# Altium PCB EBAZ4205.PcbDoc (part 1 of 6) (continued)
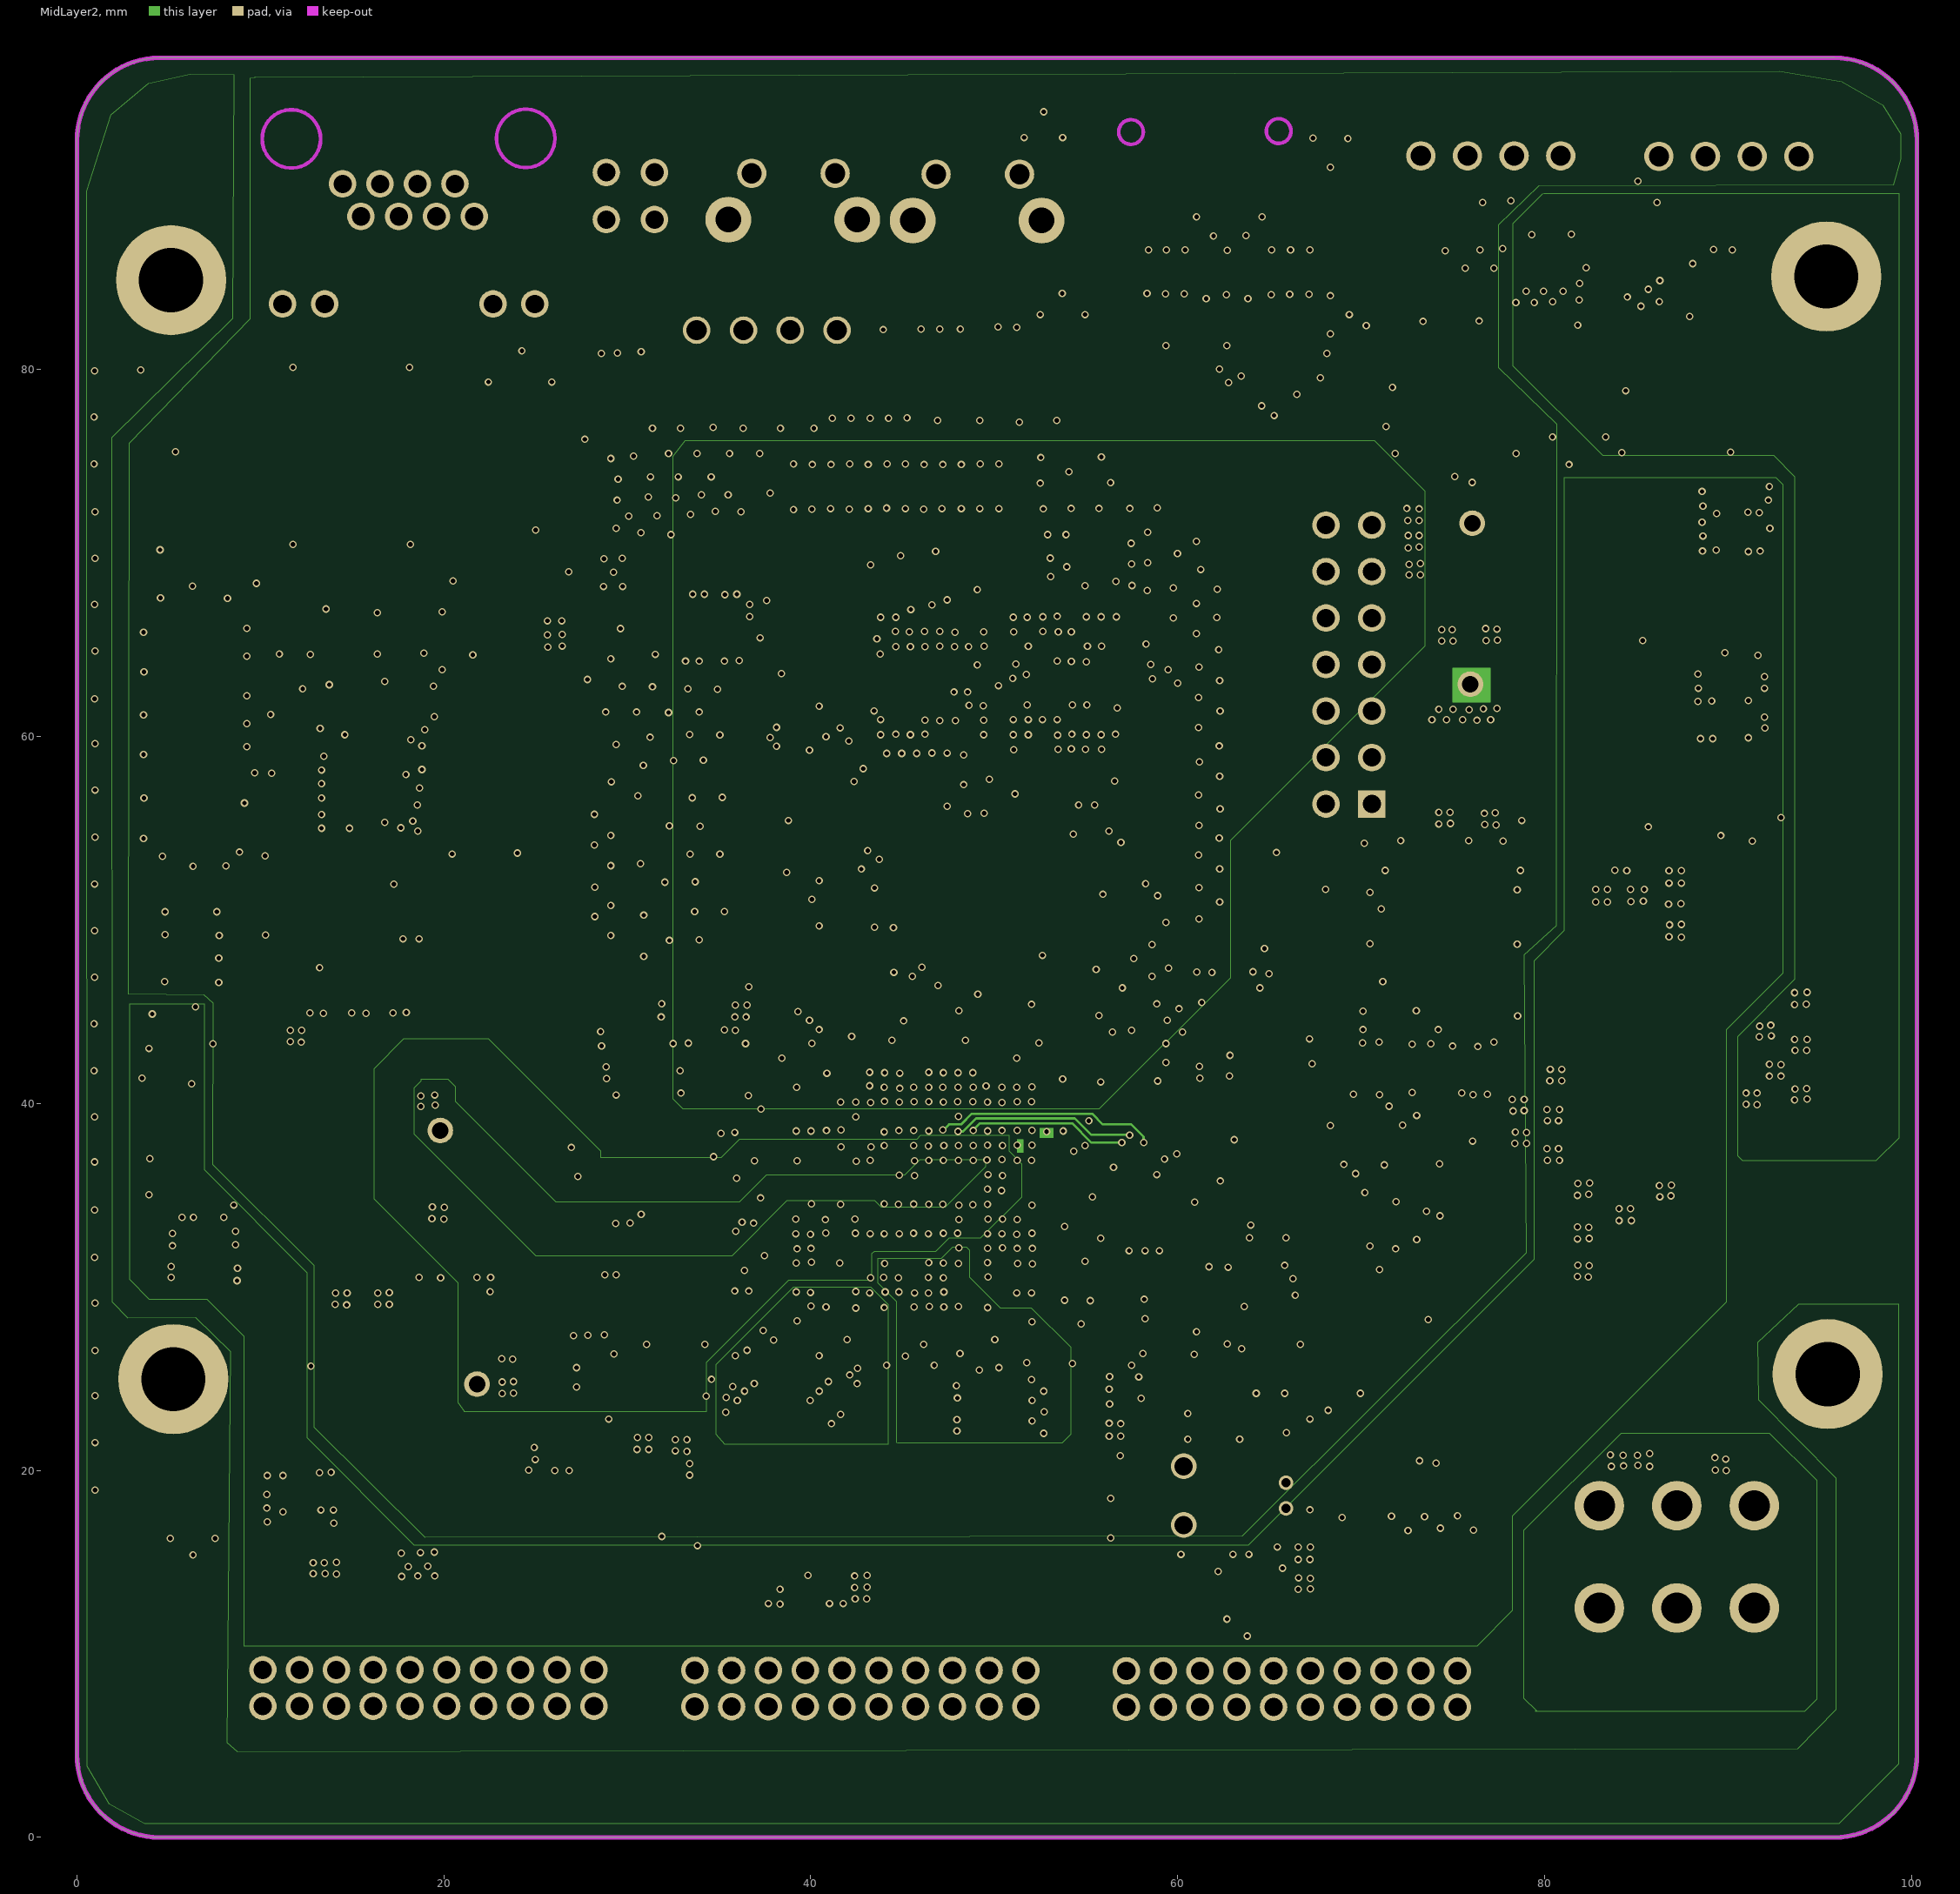
[diagram p3: MidLayer2]

## Layer stack, top to bottom
Top Solder: solder mask 0.0102, Solder Resist, Dk 3.5
Top Layer: signal copper 0.0356
Dielectric1: core 0.32, FR-4, Dk 4.8
MidLayer1: signal copper 0.0356
Dielectric2: prepreg 0.32, FR-4, Dk 4.8
MidLayer2: signal copper 0.0356
Dielectric3: core 0.32, FR-4, Dk 4.8
Bottom Layer: signal copper 0.0356
Bottom Solder: solder mask 0.0102, Solder Resist, Dk 3.5

## Board outline
0,4.5 ccw(c4.5,4.5) 4.5,0 95.8,0 ccw(c95.8,4.5) 100.3,4.5 100.3,92.5 ccw(c95.8,92.5) 95.8,97 4.5,97 ccw(c4.5,92.5) 0,92.5

## Design rules (kind name [scope] priority, off if disabled: settings)
Clearance [All] p1 off: gap=0.102
Clearance Clearance_1 [All] p2: gap=0.089
FabricationTestpoint [All] p1 off: side=3 testpointundercomponent=TRUE minsize=1.016 maxsize=2.54 preferedsize=1.524 minholesize=0 maxholesize=1.016 preferedholesize=0.813 testpointgrid=0.025 allowsidetop=TRUE allowsidebottom=TRUE usegrid=TRUE gridtolerance=0
PolygonConnect [All] p1: connectstyle=Relief reliefconductorwidth=0.762 reliefentries=4 polygonreliefangle="45 Angle" airgapwidth=0.254
RoutingLayers [All] p1: top layer_v5=FALSE mid layer 1_v5=FALSE mid layer 2_v5=FALSE bottom layer_v5=FALSE
RoutingVias [All] p1: holewidth=0.711 width=1.27 viastyle="Through Hole" minholewidth=0.025 minwidth=0.051 maxholewidth=12.7 maxwidth=12.7
SolderMaskExpansion [All] p1: expansion=0.102
Width [All] p1: maxlimit=25.4 minlimit=0.025 preferedwidth=0.254
28 further rules are at their usual default settings.

## Components (designator, comment, footprint, x,y, rotation, side; value= is the part's Value field where it differs from the comment)
C68 "NC" 3 58.806,24.931 r0 bottom
C69 "NC" 3 63.256,23.581 r270 top
C71 "NC" 3 60.006,26.331 r270 bottom
C73 "1UF" 3 47.031,82.931 r0 top
C82 "10UF" 2 18.631,43.381 r270 bottom
C93 "NC" 2 63.706,88.356 r180 bottom
C94 "NC" 3 63.206,83.231 r270 bottom
C147 "10NF" 3 48.731,32.031 r0 bottom
C289 "22UF" 9 76.856,56.881 r90 top
C290 "22UF" 9 74.556,56.856 r90 top
C291 "10UF" 2 89.281,60.906 r0 top
C292 "10UF" 2 89.306,62.956 r0 top
C293 "100NF" 6 91.031,61.006 r180 bottom
C294 "NC" 2 91.331,55.606 r180 bottom
C295 "100NF" 6 91.981,55.781 r90 top
C304 "100NF" 3 90.231,87.331 r180 bottom
C305 "100NF" 3 84.081,87.331 r180 bottom
C306 "10UF" 2 82.756,44.431 r270 bottom
C307 "10UF" 2 16.856,13.056 r180 bottom
C308 "10UF" 2 41.506,11.706 r180 bottom
C309 "10UF" 2 85.881,44.456 r270 bottom
C310 "10UF" 2 65.556,12.231 r180 bottom
C319 "100NF" 6 16.731,14.731 r180 bottom
C320 "100NF" 6 87.481,44.281 r270 bottom
C321 "100NF" 6 84.381,44.256 r270 bottom
C322 "100NF" 6 65.306,13.756 r180 bottom
C323 "100NF" 6 41.306,13.506 r180 bottom
C325 "1NF" 9 6.331,16.306 r90 top
C327 "100NF" 3 47.256,36.206 r270 bottom
C333 "100NF" 3 78.656,87.331 r180 bottom
C334 "100NF" 3 74.606,87.306 r180 bottom
C362 "NC" 3 29.083,24.563 r0 top
C363 "NC" 3 29.256,24.881 r0 bottom
C364 "NC" 3 28.086,24.62 r0 top
C366 "NC" 3 13.581,65.181 r0 top
C367 "100NF" 3 13.306,61.731 r270 bottom
C368 "100NF" 3 14.206,59.531 r270 bottom
C369 "100NF" 3 12.156,58.581 r180 bottom
C370 "100NF" 3 12.181,56.656 r180 bottom
C371 "NC" 2 15.531,59.856 r0 bottom
C372 "NC" 3 16.381,65.181 r0 top
C373 "100NF" 3 18.181,69.481 r0 bottom
C374 "100NF" 3 12.231,54.756 r180 bottom
C375 "100NF" 3 11.806,69.356 r0 bottom
C376 "100NF" 3 10.581,58.606 r270 bottom
C377 "22PF" 3 9.756,54.556 r0 top
C379 "NC" 2 16.806,57.881 r270 bottom
C379A "100NF" 3 20.481,55.406 r270 bottom
C380 "22PF" 3 9.756,56.431 r0 top
C382 "100NF" 3 16.781,54.756 r270 bottom
C383 "22UF" 9 18.881,26.681 r90 top
C384 "10UF" 2 11.156,17.606 r0 top
C385 "22UF" 9 21.231,26.656 r90 top
C386 "NC" 2 12.206,26.881 r90 top
C386A "100NF" 6 10.281,23.381 r90 top
C387 "100NF" 6 12.906,19.531 r180 bottom
C389 "10UF" 2 11.231,19.581 r0 top
C390 "22UF" 9 74.656,66.831 r90 top
C391 "10UF" 2 89.556,71.181 r0 top
C392 "22UF" 9 76.956,66.806 r90 top
C393 "100NF" 6 92.231,66.006 r90 top
C394 "100NF" 6 91.281,71.281 r180 bottom
C395 "NC" 2 91.606,65.756 r180 bottom
C396 "10UF" 2 89.531,73.206 r0 top
C397 "22UF" 9 16.406,40.881 r90 top
C398 "10UF" 2 5.981,30.806 r0 top
C399 "22UF" 9 14.106,40.881 r90 top
C400 "100NF" 6 4.906,38.106 r90 top
C401 "100NF" 6 6.006,34.606 r0 top
C402 "NC" 2 7.381,44.356 r0 top
C403 "10UF" 2 5.906,32.831 r0 top
C538 "NC" 3 59.731,24.931 r0 bottom
C625 "10UF" 2 6.881,35.031 r180 bottom
C626 "10UF" 2 8.856,44.256 r0 bottom
C628 "NC" 2 5.331,43.131 r90 top
C659 "100NF" 3 23.456,80.056 r0 top
C660 "100NF" 3 24.881,80.031 r0 top
C661 "100NF" 6 76.506,84.131 r90 bottom
C662 "100NF" 6 84.681,84.856 r180 bottom
C663 "33UF" 2 29.881,37.631 r180 bottom
C664 "100NF" 3 42.331,34.906 r180 bottom
C665 "51UF" 9 28.781,44.831 r90 bottom
C666 "3.9UF" 6 31.481,41.581 r180 bottom
C667 "470NF" 3 36.206,37.131 r270 bottom
C668 "470NF" 3 38.506,36.856 r270 bottom
C669 "51UF" 9 64.981,26.506 r90 bottom
C670 "3.9UF" 6 64.931,31.231 r90 top
C671 "470NF" 3 55.581,34.231 r270 bottom
C672 "470NF" 3 31.081,40.431 r270 bottom
C673 "3.9UF" 6 64.956,31.231 r90 bottom
C674 "470NF" 3 53.806,31.406 r270 bottom
C845 "NC" 2 31.031,18.406 r0 bottom
C846 "NC" 6 30.981,19.831 r0 bottom
C856 "NC" 6 28.006,22.506 r180 bottom
C856A "NC" 2 28.006,20.981 r180 bottom
C1887 "100NF" 3 5.881,49.156 r90 bottom
C1985 "100NF" 3 35.856,42.256 r180 bottom
C1987 "100NF" 3 35.856,40.431 r180 bottom
C2250 "470NF" 3 53.556,61.631 r270 bottom
C2269 "3.9UF" 6 59.306,46.331 r0 top
C2280 "10NF" 3 39.956,40.156 r180 bottom
C2285 "100PF" 3 80.306,51.681 r180 bottom
C2287 "100PF" 3 79.431,51.706 r180 bottom
C2288 "51UF" 9 32.481,46.856 r0 top
C2291 "470NF" 3 55.181,41.581 r270 bottom
C2292 "3.9UF" 6 56.556,69.406 r90 bottom
C2293 "470NF" 3 51.781,42.481 r180 bottom
C2294 "51UF" 9 59.531,48.656 r0 top
C2295 "3.9UF" 6 33.131,45.006 r0 top
C2296 "470NF" 3 38.506,40.306 r180 bottom
C2297 "470NF" 3 56.081,42.256 r180 bottom
C2298 "470NF" 3 40.831,40.181 r180 bottom
C2299 "470NF" 3 40.831,42.306 r270 bottom
C2300 "100PF" 3 51.756,62.256 r270 bottom
C2302 "100PF" 3 49.706,63.281 r180 bottom
C2303 "100NF" 3 57.081,42.256 r180 bottom
C2304 "100NF" 3 56.981,40.331 r180 bottom
C2305 "51UF" 9 40.281,20.106 r180 bottom
C2306 "3.9UF" 6 39.281,23.581 r180 bottom
C2307 "470NF" 3 38.531,27.206 r180 bottom
C2308 "470NF" 3 41.706,28.256 r270 bottom
C2309 "3.9UF" 6 41.106,27.131 r180 bottom
C2310 "470NF" 3 38.531,26.281 r270 bottom
C2312 "3.9UF" 6 39.281,24.706 r180 bottom
C2313 "470NF" 3 38.656,29.356 r270 bottom
C2314 "470NF" 3 43.881,28.106 r0 bottom
C2315 "51UF" 9 51.381,20.881 r180 bottom
C2316 "3.9UF" 6 51.181,24.456 r180 bottom
C2317 "470NF" 3 45.531,28.106 r0 bottom
C2318 "470NF" 3 43.606,31.431 r270 bottom
C2319 "3.9UF" 6 55.256,23.606 r180 bottom
C2320 "470NF" 3 45.681,31.406 r270 bottom
C2321 "3.9UF" 6 55.256,24.856 r180 bottom
C2322 "470NF" 3 50.106,28.106 r270 bottom
C2323 "470NF" 3 53.831,27.981 r270 bottom
C2324 "3.9UF" 6 23.106,27.006 r90 bottom
C2325 "3.9UF" 6 29.031,28.206 r90 bottom
C2326 "470NF" 3 43.881,32.331 r270 bottom
C2327 "470NF" 3 45.656,32.306 r270 bottom
C2328 "3.9UF" 6 24.256,20.956 r90 bottom
C2329 "470NF" 3 31.356,29.106 r0 bottom
C2330 "3.9UF" 6 24.306,27.006 r90 bottom
C2331 "3.9UF" 6 30.206,28.206 r90 bottom
C2332 "470NF" 3 32.081,29.106 r0 bottom
C2333 "470NF" 3 33.006,29.106 r0 bottom
C2334 "470NF" 3 41.981,32.181 r180 bottom
C2335 "470NF" 3 47.406,33.556 r270 bottom
C2336 "51UF" 9 20.581,19.706 r90 bottom
C2337 "51UF" 9 16.481,40.731 r90 bottom
C2338 "3.9UF" 6 18.031,36.781 r270 bottom
C2339 "470NF" 3 43.881,33.581 r270 bottom
C2340 "470NF" 3 33.431,30.856 r180 bottom
C2341 "3.9UF" 6 30.181,31.081 r90 bottom
C2342 "470NF" 3 45.681,33.556 r270 bottom
C2343 "33UF" 2 31.381,43.231 r180 bottom
C2344 "33UF" 2 18.556,41.781 r90 top
C2345 "51UF" 9 21.331,26.606 r90 bottom
C2346 "470NF" 3 47.456,32.281 r270 bottom
C2347 "470NF" 3 44.831,36.731 r180 bottom
C2349 "10UF" 2 34.856,31.206 r90 bottom
C2349A "33UF" 2 23.256,27.181 r90 top
C2350 "RES1" 3 49.006,36.181 r270 bottom
C2351 "51UF" 9 14.181,40.731 r90 bottom
C2352 "3.9UF" 6 16.831,36.781 r270 bottom
C2353 "470NF" 3 32.506,30.856 r180 bottom
C2354 "470NF" 3 47.181,35.006 r270 bottom
C2355 "3.9UF" 6 19.256,36.781 r270 bottom
C2356 "470NF" 3 31.631,30.856 r180 bottom
C2357 "51UF" 9 22.681,19.706 r90 bottom
C2358 "51UF" 9 19.006,26.531 r90 bottom
C2359 "470NF" 3 34.831,29.106 r0 bottom
C2360 "470NF" 3 36.656,29.106 r0 bottom
C2361 "470NF" 3 35.756,29.106 r0 bottom
C2362 "3.9UF" 6 27.931,28.206 r90 bottom
C2363 "470NF" 3 33.956,29.106 r0 bottom
C2365 "33UF" 2 39.581,22.006 r180 bottom
C2366 "33UF" 2 51.281,22.831 r180 bottom
C2367 "10NF" 3 54.606,57.906 r0 bottom
C2368 "10NF" 3 49.731,59.356 r0 bottom
C2369 "10NF" 3 53.031,67.231 r270 bottom
C2370 "10UF" 2 54.956,69.256 r90 bottom
C2371 "10NF" 3 54.856,67.231 r270 bottom
C2372 "10NF" 3 53.681,57.906 r0 bottom
C2373 "10NF" 3 57.481,65.081 r270 bottom
C2374 "10NF" 3 45.031,58.331 r270 bottom
C2375 "10NF" 3 46.781,58.331 r270 bottom
C2376 "10NF" 3 46.831,68.381 r180 bottom
C2377 "10NF" 3 58.381,67.256 r270 bottom
C2378 "10NF" 3 51.131,58.556 r0 bottom
C2379 "10NF" 3 55.456,57.906 r0 bottom
C2381 "10NF" 3 56.606,67.231 r270 bottom
C2382 "10NF" 3 44.781,68.281 r180 bottom
C2383 "100NF" 3 52.256,69.756 r270 bottom
C2384 "100NF" 3 52.281,70.631 r270 bottom
C2385 "1NF" 44 90.456,32.731 r180 bottom
C2394 "100NF" 3 27.656,66.331 r270 top
C2395 "NC" 2 33.881,69.406 r90 top
C2396 "NC" 2 33.706,65.106 r90 top
C2397 "NC" 2 35.606,65.106 r90 top
C2398 "3.9UF" 6 27.481,65.206 r0 top
C2399 "NC" 3 32.431,66.356 r180 top
C2400 "NC" 3 25.006,70.556 r270 top
C2401 "NC" 2 35.806,69.406 r90 top
C2402 "NC" 6 48.006,75.881 r180 bottom
C2403 "NC" 6 39.956,75.831 r180 bottom
C2404 "NC" 6 37.756,74.206 r180 bottom
C2405 "NC" 3 43.256,75.581 r180 bottom
C2406 "NC" 3 41.206,75.581 r180 bottom
C2407 "NC" 3 42.256,75.581 r180 bottom
C2408 "NC" 3 44.281,75.581 r180 bottom
C2409 "NC" 3 45.281,75.606 r180 bottom
C2410 "1UF" 1 50.206,82.956 r90 top
D21 "SS810" 42 77.331,14.131 r180 bottom
D22 "SS810" 42 53.656,14.431 r180 bottom
D23 "SS810" 42 29.506,14.106 r180 bottom
D24 "NC" 42 92.656,48.581 r180 bottom
DATA1 "2*10PIN-2.0MM" 37 75.256,9.081 r0 top
DATA2 "2*10PIN-2.0MM" 37 51.731,9.106 r0 top
DATA3 "2*10PIN-2.0MM" 37 28.181,9.131 r0 top
EC2 "470UF/16V" 24 92.181,37.531 r0 top
EC5 "100UF/16V" 29 79.881,85.956 r0 top
EC6 "470UF/16V" 24 92.406,47.981 r0 top
FB10 "1.2UH" 40 33.081,32.931 r90 bottom
FB14 "1.2UH" 40 29.506,21.756 r180 bottom
FB15 "1.2UH" 40 55.381,22.356 r90 bottom
FB16 "1.2UH" 40 35.881,21.031 r90 bottom
J3 "4PIN-2.54MM" 31 86.231,91.631 r0 top
J4 "2*3PIN-4.2MM" 38 91.431,12.506 r0 top
J5 "4PIN-2.54MM" 31 73.256,91.656 r0 top
J7 "NC" 33 41.431,82.156 r0 top
J8 "NC" 36 70.581,56.331 r0 top
L7 "4.7UH" 21 80.481,60.206 r0 top
L9 "0.33UH" 39 82.731,88.406 r180 bottom
L11 "0.33UH" 39 73.031,88.406 r180 bottom
L29 "NC" 40 28.106,25.481 r180 bottom
L30 "NC" 39 14.731,58.031 r180 bottom
L31 "4.7UH" 21 17.456,20.506 r0 top
L32 "4.7UH" 21 80.531,70.306 r0 top
L33 "4.7UH" 21 12.131,35.281 r0 top
L36 "0.33UH" 39 85.081,35.331 r0 bottom
L37 "4.7UH" 21 86.581,23.831 r90 top
L113 "1.2UH" 40 79.856,55.406 r180 bottom
LED1 "G" 8 31.906,42.031 r0 top
LED4 "G" 8 5.406,74.181 r0 top
LED6 "R+G" 34 31.481,88.181 r0 top
R36 "4.7K 1%" 1 64.731,52.681 r90 top
R37 "22R 1%" 1 67.031,50.781 r90 top
R38 "4.7K 1%" 1 69.081,52.681 r90 top
R45 "150R 1%" 1 28.581,81.706 r90 top
R46 "150R 1%" 1 29.456,81.706 r90 top
R47 "150R 1%" 1 5.381,70.156 r90 top
R117 "NC" 1 63.481,24.931 r90 bottom
R120 "NC" 1 61.706,27.456 r90 bottom
R120A "10K 1%" 1 46.006,82.956 r90 top
R122 "NC" 1 62.706,27.481 r90 bottom
R160 "NC" 1 66.181,84.781 r90 bottom
R161 "NC" 1 65.131,84.806 r90 bottom
R162 "NC" 1 62.706,84.806 r90 bottom
R163 "NC" 1 60.406,84.806 r90 bottom
R164 "NC" 1 59.381,84.806 r90 bottom
R165 "NC" 1 58.381,84.806 r90 bottom
R166 "10K 1%" 1 67.181,84.806 r90 bottom
R167 "0R 1%" 1 67.156,79.556 r90 top
R244 "NC" 1 76.106,18.256 r90 top
R245 "NC" 1 75.231,18.256 r90 top
R246 "0R 1%" 1 74.331,18.256 r90 top
R247 "NC" 1 73.431,18.256 r90 top
R248 "NC" 1 68.956,18.256 r90 top
R277 "NC" 1 28.131,23.706 r0 top
R1279 "NC" 1 60.556,23.931 r90 bottom
R1333 "51K 5%" 7 80.881,55.056 r0 top
R1336 "11.3K 1%" 1 83.706,55.081 r0 top
R1344 "10K 1%" 1 85.106,87.331 r90 bottom
R1345 "33R 1%" 1 87.156,87.331 r90 bottom
R1346 "33R 1%" 1 88.181,87.306 r90 bottom
R1347 "NC" 1 89.206,87.356 r90 bottom
R1348 "NC" 1 86.131,87.331 r90 bottom
R1358 "4.7K 1%" 1 78.131,41.481 r90 bottom
R1359 "4.7K 1%" 1 75.456,41.481 r90 bottom
R1360 "4.7K 1%" 1 69.206,41.481 r90 bottom
R1361 "10K 1%" 1 76.631,87.331 r90 bottom
R1362 "33R 1%" 1 75.581,87.331 r90 bottom
R1363 "33R 1%" 1 80.881,87.331 r90 bottom
R1364 "NC" 1 79.856,87.356 r90 bottom
R1365 "NC" 1 77.606,87.306 r90 bottom
R1372 "NC" 1 34.356,25.756 r0 top
R1373 "33R 1%" 1 7.056,32.181 r90 bottom
R1379 "33R 1%" 1 30.731,81.681 r90 top
R1381 "5.1K 1%" 1 20.456,56.281 r180 bottom
R1383 "5.1K 1%" 1 20.431,54.481 r180 bottom
R1384 "75R 1%" 1 18.181,78.531 r90 bottom
R1385 "22R 1%" 1 24.006,49.731 r90 top
R1386 "5.1K 1%" 1 18.681,49.756 r90 top
R1388 "NC" 1 11.031,65.181 r90 top
R1389 "330R 1%" 1 22.431,80.056 r90 top
R1390 "5.1K 1%" 1 16.906,49.756 r90 top
R1391 "22R 1%" 1 23.131,49.756 r90 top
R1392 "5.1K 1%" 1 17.781,49.731 r90 top
R1393 "6.2K 1%" 1 19.906,65.206 r90 top
R1394 "22R 1%" 1 22.231,49.731 r90 top
R1396 "5.1K 1%" 1 20.231,60.106 r90 bottom
R1397 "22R 1%" 1 21.331,49.731 r90 top
R1400 "75R 1%" 1 11.781,78.531 r90 bottom
R1401 "33R 1%" 1 11.281,50.181 r270 bottom
R1404 "75R 1%" 1 15.606,78.531 r90 bottom
R1405 "22R 1%" 1 20.456,49.731 r90 top
R1406 "NC" 1 17.406,65.181 r90 top
R1407 "75R 1%" 1 14.331,78.531 r90 bottom
R1408 "5.1K 1%" 1 20.256,58.206 r90 bottom
R1409 "NC" 1 18.981,65.206 r90 top
R1410 "22R 1%" 1 19.581,49.731 r90 top
R1411 "NC" 1 12.581,65.181 r90 top
R1412 "330R 1%" 1 25.906,80.031 r90 top
R1413 "10K 1%" 1 12.706,23.881 r90 bottom
R1414 "6.81K 1%" 7 14.981,26.606 r0 top
R1415 "10K 1%" 1 13.731,26.631 r90 top
R1417 "15K 1%" 7 80.506,65.206 r0 top
R1418 "10K 1%" 1 83.331,65.256 r0 top
R1420 "4.02K 1%" 7 10.631,41.631 r0 top
R1421 "2K 1%" 1 9.006,41.656 r90 top
R1481 "33R 1%" 1 34.731,14.881 r90 bottom
R1482 "3K 5%" 7 41.381,17.156 r270 bottom
R1483 "1.2K 5%" 7 39.806,17.156 r270 bottom
R1485 "NC" 1 9.781,55.381 r90 bottom
R1487 "22R 1%" 1 51.156,17.356 r90 top
R1488 "22R 1%" 1 52.181,17.356 r90 top
R1491 "22R 1%" 1 36.906,17.356 r90 top
R1492 "22R 1%" 1 37.931,17.456 r90 top
R1493 "NC" 1 48.956,35.106 r180 bottom
R1494 "0R 1%" 1 32.181,35.856 r180 bottom
R1495 "0R 1%" 1 32.181,37.106 r180 bottom
R1496 "0R 1%" 1 32.181,38.381 r180 bottom
R1497 "NC" 1 34.081,37.106 r180 bottom
R1498 "NC" 1 34.056,38.381 r180 bottom
R1499 "NC" 1 34.081,35.856 r180 bottom
R1500 "330R 1%" 1 32.931,38.206 r90 top
R1501 "330R 1%" 1 31.906,38.206 r90 top
R1502 "4.7K 1%" 1 45.281,39.031 r180 bottom
R1503 "4.7K 1%" 1 33.956,38.206 r90 top
R1504 "22R 1%" 1 69.081,50.656 r90 top
R1505 "22R 1%" 1 65.906,50.781 r90 top
R1506 "22R 1%" 1 64.731,50.781 r90 top
R1507 "4.7K 1%" 1 67.056,52.681 r90 top
R1948 "100K 1%" 1 6.856,46.606 r180 bottom
R1949 "NC" 1 6.856,47.656 r180 bottom
R1950 "10K 1%" 1 12.306,47.406 r180 bottom
R1995 "10K 1%" 1 10.531,59.556 r90 bottom
R2159 "1.2K 1%" 1 34.881,42.231 r90 bottom
R2161 "1.2K 1%" 1 34.856,40.431 r90 bottom
R2336 "10K 1%" 1 6.881,50.456 r180 bottom
R2340 "NC" 1 75.606,44.706 r0 top
R2350 "10K 1%" 1 84.181,76.331 r0 bottom
R2389 "NC" 1 72.131,52.656 r90 bottom
R2391 "NC" 1 72.156,50.631 r90 bottom
R2392 "33R 1%" 1 12.306,48.281 r180 bottom
R2430 "100K 1%" 1 60.556,35.731 r0 top
R2432 "100K 1%" 1 53.556,34.831 r270 bottom
R2433 "100K 1%" 1 52.656,34.831 r270 bottom
R2434 "NC" 1 60.031,34.856 r180 bottom
R2435 "NC" 1 57.481,29.156 r180 bottom
R2436 "22R 1%" 1 56.606,31.356 r0 top
R2437 "22R 1%" 1 57.506,28.231 r180 bottom
R2438 "NC" 1 61.681,29.256 r90 bottom
R2439 "NC" 1 62.706,29.281 r90 bottom
R2440 "NC" 1 62.581,24.931 r180 bottom
R2441 "NC" 1 58.156,33.781 r180 bottom
R2442 "NC" 1 58.106,34.856 r180 bottom
R2443 "NC" 1 60.006,33.706 r180 bottom
R2444 "NC" 1 56.481,27.381 r0 top
R2445 "NC" 1 56.881,34.381 r0 top
R2445B "NC" 1 56.606,30.456 r0 top
R2446 "NC" 1 59.156,33.331 r0 top
R2447 "NC" 1 56.881,35.556 r0 top
R2455 "240R 1%" 1 47.681,57.331 r90 bottom
R2456 "80.5R 1%" 1 47.406,39.281 r180 bottom
R2457 "80.5R 1%" 1 53.931,40.556 r180 bottom
R2458 "1.2K 1%" 1 58.106,42.281 r90 bottom
R2459 "1.2K 1%" 1 58.031,40.331 r90 bottom
R2460 "0R 5%" 7 29.806,35.981 r180 bottom
R2461 "22R 1%" 1 32.431,30.456 r0 top
R2462 "22R 1%" 1 30.281,28.431 r0 top
R2463 "22R 1%" 1 30.281,30.456 r0 top
R2464 "22R 1%" 1 32.431,29.431 r0 top
R2465 "22R 1%" 1 30.281,29.431 r0 top
R2466 "22R 1%" 1 32.431,28.406 r0 top
R2468 "NC" 7 28.006,18.056 r180 bottom
R2469 "4.7K 1%" 1 21.581,63.656 r180 bottom
R2470 "4.7K 1%" 1 21.581,62.631 r180 bottom
R2471 "0R 5%" 7 28.006,19.206 r180 bottom
R2472 "22R 1%" 1 49.156,19.906 r90 top
R2473 "22R 1%" 1 50.181,19.906 r90 top
R2473A "22R 1%" 1 52.206,19.906 r90 top
R2474 "22R 1%" 1 51.181,19.906 r90 top
R2476 "22R 1%" 1 53.206,19.906 r90 top
R2477 "22R 1%" 1 53.206,17.356 r90 top
R2478 "22R 1%" 1 54.206,17.356 r90 top
R2479 "22R 1%" 1 55.231,17.356 r90 top
R2480 "22R 1%" 1 50.131,17.356 r90 top
R2481 "22R 1%" 1 49.131,17.356 r90 top
R2482 "22R 1%" 1 54.206,19.906 r90 top
R2483 "22R 1%" 1 55.231,19.906 r90 top
R2484 "22R 1%" 1 48.106,17.356 r90 top
R2485 "22R 1%" 1 47.081,17.356 r90 top
R2486 "22R 1%" 1 46.056,17.381 r90 top
R2487 "NC" 1 29.531,18.956 r270 bottom
R2487A "22R 1%" 1 46.056,19.906 r90 top
R2488 "22R 1%" 1 45.056,19.906 r90 top
R2489 "22R 1%" 1 44.006,19.906 r90 top
R2490 "22R 1%" 1 43.031,19.906 r90 top
R2491 "22R 1%" 1 42.006,19.906 r90 top
R2492 "22R 1%" 1 47.081,19.906 r90 top
R2493 "22R 1%" 1 48.131,19.906 r90 top
R2496 "22R 1%" 1 41.006,17.356 r90 top
R2497 "22R 1%" 1 39.981,17.356 r90 top
R2498 "22R 1%" 1 38.956,17.356 r90 top
R2499 "22R 1%" 1 38.956,19.906 r90 top
R2500 "22R 1%" 1 37.931,19.906 r90 top
R2501 "22R 1%" 1 36.906,19.906 r90 top
R2502 "22R 1%" 1 35.881,19.906 r90 top
R2503 "22R 1%" 1 34.806,19.906 r90 top
R2504 "22R 1%" 1 42.006,17.356 r90 top
R2505 "22R 1%" 1 44.031,17.356 r90 top
R2506 "22R 1%" 1 45.056,17.356 r90 top
R2507 "22R 1%" 1 43.031,17.356 r90 top
R2508 "22R 1%" 1 34.856,17.356 r90 top
R2509 "22R 1%" 1 35.906,17.356 r90 top
R2510 "22R 1%" 1 41.006,19.906 r90 top
R2511 "22R 1%" 1 39.981,19.906 r90 top
R2512 "0R 1%" 1 51.256,34.331 r180 bottom
R2513 "10R 1%" 1 39.431,47.906 r90 bottom
R2514 "10R 1%" 1 45.006,50.206 r90 bottom
R2515 "10R 1%" 1 39.406,50.181 r90 bottom
R2516 "10R 1%" 1 47.056,50.231 r90 bottom
R2517 "10R 1%" 1 37.506,47.931 r90 bottom
R2518 "10R 1%" 1 46.056,50.231 r90 bottom
R2519 "10R 1%" 1 42.006,50.206 r90 bottom
R2520 "10R 1%" 1 44.506,47.931 r90 bottom
R2521 "10R 1%" 1 41.456,47.931 r90 bottom
R2522 "10R 1%" 1 43.506,47.931 r90 bottom
R2523 "10R 1%" 1 43.006,50.206 r90 bottom
R2524 "10R 1%" 1 44.031,50.206 r90 bottom
R2525 "10R 1%" 1 45.531,47.931 r90 bottom
R2526 "10R 1%" 1 46.556,47.931 r90 bottom
R2527 "10R 1%" 1 48.606,47.931 r90 bottom
R2528 "10R 1%" 1 47.581,47.931 r90 bottom
R2529 "10R 1%" 1 49.106,50.206 r90 bottom
R2530 "10R 1%" 1 49.606,47.956 r90 bottom
R2531 "10R 1%" 1 48.081,50.206 r90 bottom
R2532 "10R 1%" 1 38.406,47.881 r90 bottom
R2533 "10R 1%" 1 38.381,50.206 r90 bottom
R2534 "10R 1%" 1 42.506,47.931 r90 bottom
R2535 "10R 1%" 1 36.606,47.931 r90 bottom
R2536 "10R 1%" 1 40.456,47.906 r90 bottom
R2537 "1.2K 1%" 1 51.281,68.731 r0 bottom
R2538 "1.2K 1%" 1 51.256,71.681 r0 bottom
R2539 "20K 1%" 1 48.706,32.831 r90 bottom
R2540 "NC" 1 41.756,30.381 r180 bottom
R2541 "20K 1%" 1 41.781,29.556 r180 bottom
R2542 "80.5R 1%" 1 43.081,46.556 r0 top
R2543 "NC" 1 59.156,34.381 r0 top
R2544 "10K 1%" 1 89.131,76.331 r0 top
R2545 "10K 1%" 1 91.056,76.331 r0 top
R2546 "10K 1%" 1 84.156,76.356 r0 top
R2547 "10K 1%" 1 78.456,76.181 r0 top
R2548 "10K 1%" 1 71.331,76.181 r0 top
R2549 "10K 1%" 1 76.631,76.206 r0 top
R2551 "1K 1%" 1 88.756,82.906 r0 bottom
R2552 "NC" 7 86.456,76.356 r0 top
R2553 "NC" 7 73.581,76.206 r0 top
R2554 "NC" 7 88.006,76.331 r180 bottom
R2556 "10K 1%" 1 71.331,76.181 r0 bottom
R2557 "NC" 7 75.181,76.181 r180 bottom
R2558 "1M 5%" 43 90.581,37.931 r180 bottom
R2559 "1M 5%" 43 90.481,30.556 r180 bottom
R2560 "4.7K 1%" 1 23.931,51.856 r90 top
R2577 "NC" 1 69.956,23.281 r180 bottom
R2578 "20K 1%" 1 71.656,18.256 r90 top
R2579 "NC" 1 70.081,41.456 r90 bottom
R2580 "NC" 1 72.756,41.456 r90 bottom
R2581 "NC" 1 70.731,18.256 r90 top
R2582 "NC" 1 74.556,41.481 r90 bottom
R2583 "NC" 1 77.256,41.481 r90 bottom
R2584 "20K 1%" 1 69.956,22.381 r180 bottom
R2585 "NC" 1 72.531,18.256 r90 top